# KiCad board POWER_BOARD.kicad_pcb
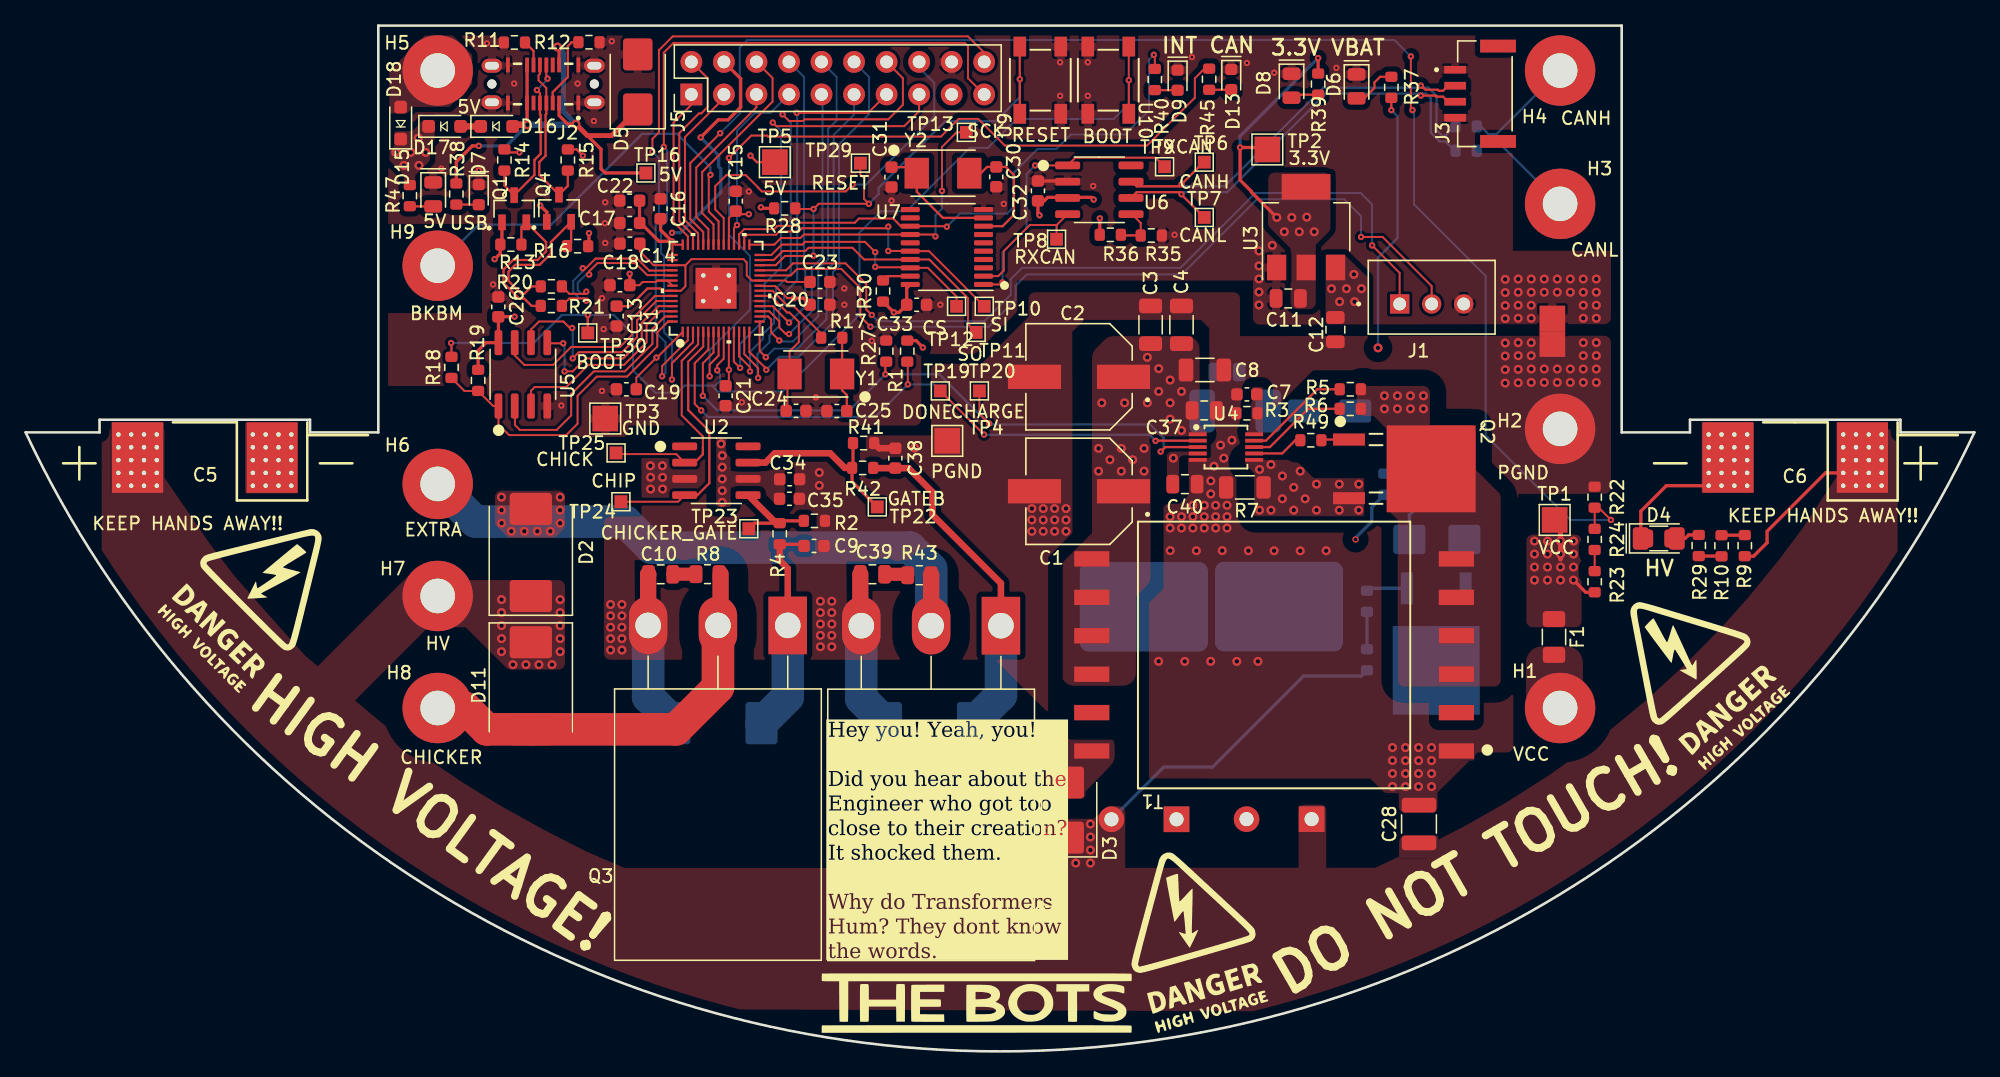
[diagram p0: board, top side]
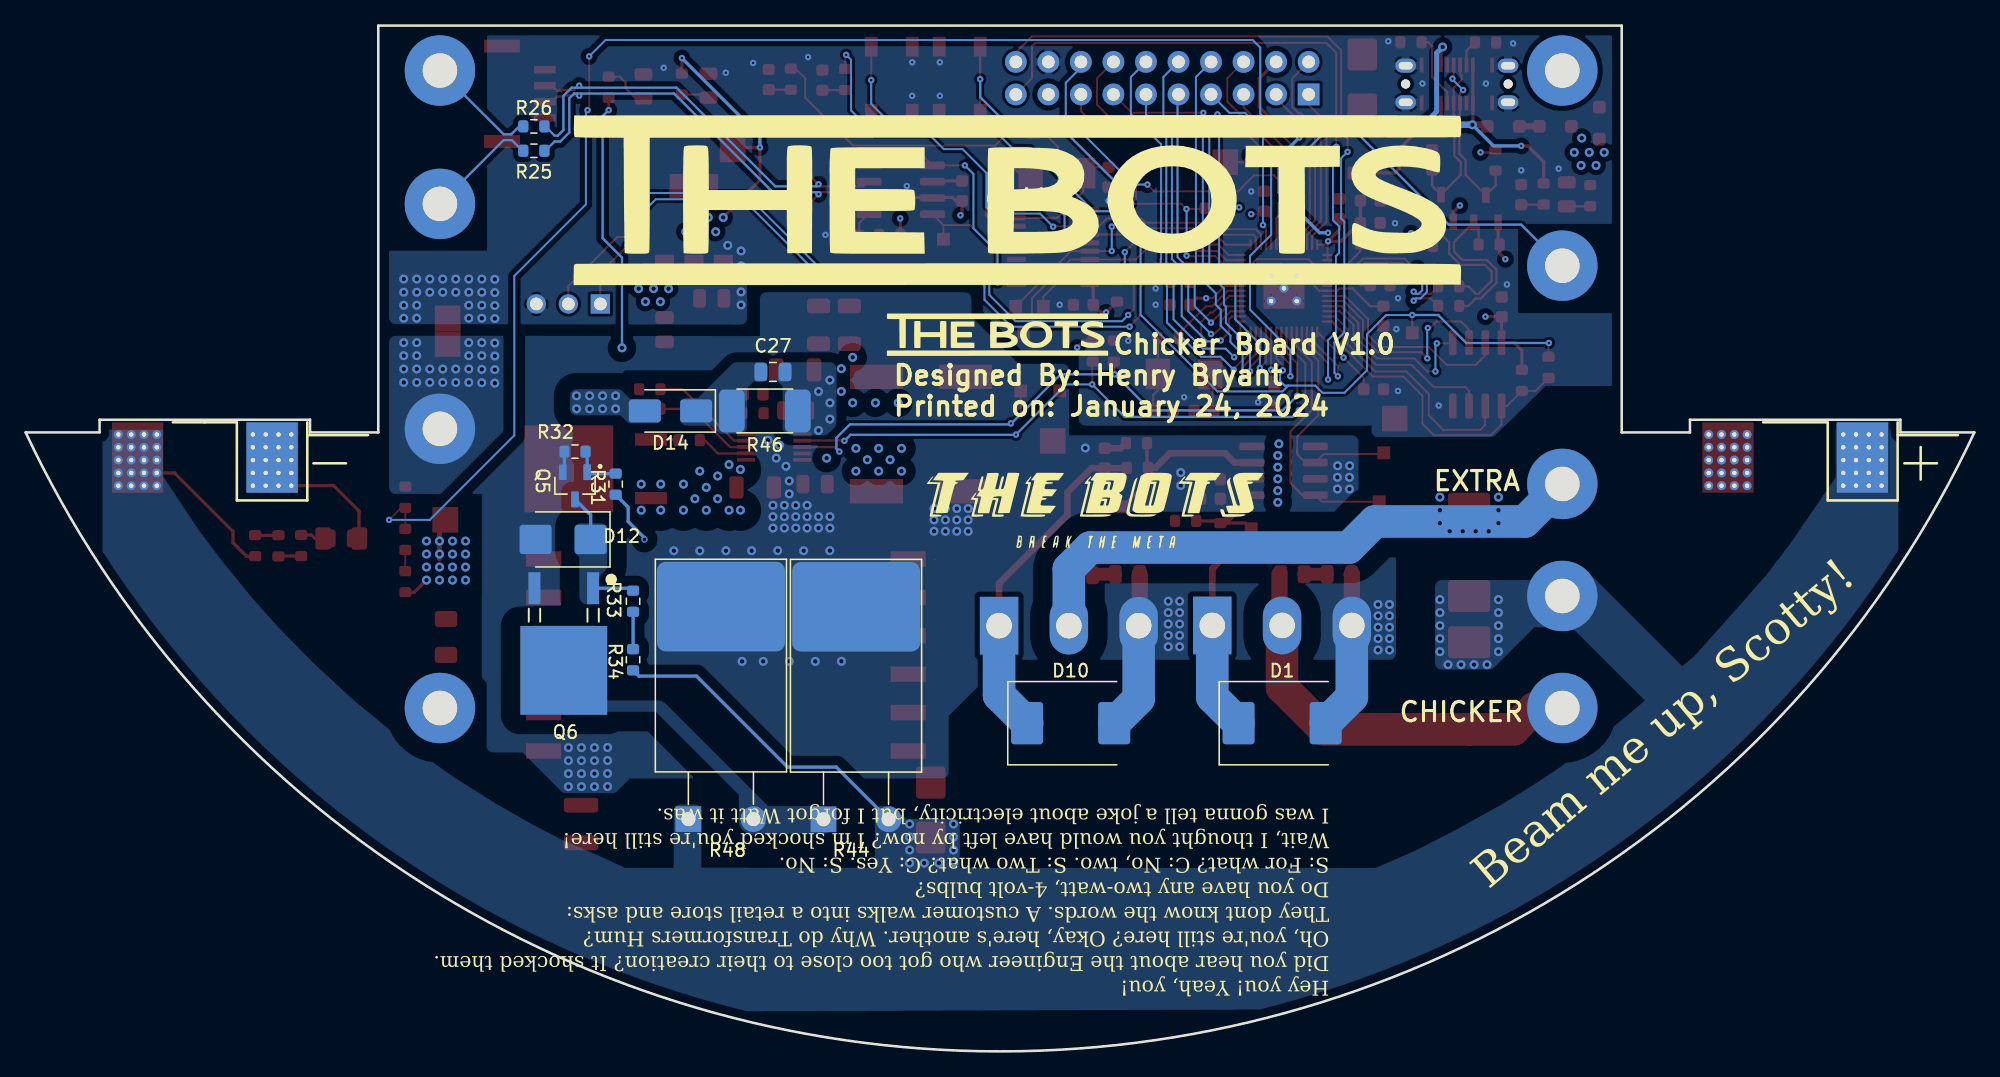
[diagram p1: board, bottom side, seen from below]

Outline 152.15 x 80.11 mm; copper layers: Top, In1.Cu (plane), In2.Cu (plane), Bottom. Coordinates in mm from the lower left corner of the outline.
Outline path: 5.77,49.33 5.77,48.34 0,48.34 arc(76.07,0) 152.15,48.34 146.38,48.34 146.38,49.33 129.94,49.33 129.94,48.34 124.61,48.34 124.61,80.11 27.54,80.11 27.54,48.34 22.21,48.34 22.21,49.33 5.77,49.33
Stack: Top 0.035mm / dielectric 0.1mm FR4 er 4.5 / In1.Cu 0.035mm / dielectric 1.2402mm FR4 er 4.5 / In2.Cu 0.035mm / dielectric 0.1mm FR4 er 4.5 / Bottom 0.035mm

## Placement (name value [footprint] x y rotation side)
C1  25SVPF100M  [CAP_25SVPF100M]  82.24 43.74 180 top
C2  25SVPF100M  [CAP_25SVPF100M]  82.24 52.68 180 top
C3  22u_1206  [C_1206_3216Metric]  87.83 56.75 90 top
C4  22u_1206  [C_1206_3216Metric]  90.24 56.75 90 top
C5  1000u  [CP_Radial_Horizontal_D25.4mm_H45mm]  13.99 49.33 0 top
C6  1000u  [CP_Radial_Horizontal_D25.4mm_H45mm_reversed]  138.16 49.33 0 top
C7  100p  [C_0603_1608Metric]  95.35 51.31 180 top
C8  22u_1206  [C_1206_3216Metric]  92.07 53.22 0 top
C9  0.1u  [C_0603_1608Metric]  61.55 39.47 0 top
C10  1500p  [C_0805_2012Metric]  49.58 37.26 180 top
C11  10u  [C_0805_2012Metric]  98.58 58.8 180 top
C12  10u  [C_0805_2012Metric]  102.26 56.36 270 top
C13  0.1u  [C_0603_1608Metric]  46.14 57.42 270 top
C14  0.1u  [C_0603_1608Metric]  47.18 63.08 180 top
C15  0.1u  [C_0603_1608Metric]  55.45 66.4 90 top
C16  0.1u  [C_0603_1608Metric]  49.57 65.81 90 top
C17  0.1u  [C_0603_1608Metric]  47.17 64.69 180 top
C18  0.1u  [C_0603_1608Metric]  46.4 59.84 180 top
C19  0.1u  [C_0603_1608Metric]  46.9 51.71 180 top
C20  0.1u  [C_0603_1608Metric]  62.02 58.31 0 top
C21  0.1u  [C_0603_1608Metric]  54.65 51.2 270 top
C22  1u  [C_0603_1608Metric]  47.16 66.44 180 top
C23  1u  [C_0603_1608Metric]  62.02 60.09 0 top
C24  27p  [C_0603_1608Metric]  60.15 50.02 180 top
C25  27p  [C_0603_1608Metric]  63.34 50.01 0 top
C26  0.1u  [C_0603_1608Metric]  36.9 58.14 90 top
C27  0.22u_0805  [C_0805_2012Metric]  93.8 53.06 0 bottom
C28  0.1u_600V  [C_1210_3225Metric]  108.79 17.76 90 top
C30  22p  [C_0603_1608Metric]  75.78 68.3 270 top
C31  22p  [C_0603_1608Metric]  67.6 68.28 270 top
C32  0.1u  [C_0603_1608Metric]  79.04 67.2 90 top
C33  0.1u  [C_0603_1608Metric]  69.56 58.31 0 top
C34  0.1u  [C_0603_1608Metric]  59.65 44.68 0 top
C35  1u  [C_0603_1608Metric]  59.64 43.16 0 top
C37  10u  [C_0805_2012Metric]  92.02 50.06 0 top
C38  0.1u  [C_0603_1608Metric]  67.9 46.33 90 top
C39  1500p  [C_0805_2012Metric]  66.12 37.26 180 top
C40  10u  [C_0805_2012Metric]  90.51 44.3 0 top
D1  SMCJ15A  [D_SMC]  54.05 25.63 180 bottom
D2  MUR860J  [D_SMC]  39.44 38.97 90 top
D3  2A 600V  [D_SMB]  81.48 18.85 90 top
D4  LED_red  [LED_1206MERGE0805]  127.51 40.06 0 top
D5  B220  [D_SMB]  47.79 75.71 90 top
D6  LED  [LED_0805_2012Metric]  103.91 75.36 270 top
D7  LED_blue  [LED_0603_1608Metric]  35.38 66.91 270 top
D8  LED  [LED_0805_2012Metric]  98.84 75.41 270 top
D9  LED  [LED_0603_1608Metric]  89.94 75.85 270 top
D10  SMCJ15A  [D_SMC]  70.56 25.63 180 bottom
D11  MUR860J  [D_SMC]  39.44 28.55 270 top
D12  3SMBJ5929B-TP  [D_SMB]  110.18 39.98 0 bottom
D13  LED  [LED_0603_1608Metric]  94.13 75.9 270 top
D14  USM1  [D_SMA]  101.8 50.01 0 bottom
D15  LED  [LED_0805_2012Metric]  31.82 66.93 270 top
D16  220mV Schottky  [D_SOD-323_HandSoldering]  36.78 72.24 0 top
D17  220mV Schottky  [D_SOD-323_HandSoldering]  32.71 72.24 0 top
D18  220mV Schottky  [D_SOD-323_HandSoldering]  29.28 72.49 90 top
F1  0501015.WR1  [Fuse_1206_3216Metric]  119.33 32.36 270 top
G***  -  [LOGO]  18.2 35.87 315 top
G***#2  -  [LOGO]  90.87 9.11 16 top
G***#3  -  [LOGO]  74.24 3.79 0 top
G***#4  -  [LOGO]  129.99 29.95 42 top
G***#5  -  [LOGO]  68.56 47.66 180 bottom
G***#6  -  [LOGO]  74.75 66.52 180 bottom
G***#7  -  [LOGO]  76.27 55.98 180 bottom
H1  VCC  [MountingHole_2.7mm_M2.5_DIN965_Pad]  119.8 26.82 0 top
H2  PGND  [MountingHole_2.7mm_M2.5_DIN965_Pad]  119.8 48.62 0 top
H3  CANL  [MountingHole_2.7mm_M2.5_DIN965_Pad]  119.8 66.19 0 top
H4  CANH  [MountingHole_2.7mm_M2.5_DIN965_Pad]  119.8 76.6 0 top
H5  5V  [MountingHole_2.7mm_M2.5_DIN965_Pad]  32.17 76.6 0 top
H6  EXTRA  [MountingHole_2.7mm_M2.5_DIN965_Pad]  32.17 44.32 0 top
H7  HV  [MountingHole_2.7mm_M2.5_DIN965_Pad]  32.17 35.57 0 top
H8  CHICKER  [MountingHole_2.7mm_M2.5_DIN965_Pad]  32.17 26.82 0 top
H9  BKBM  [MountingHole_2.7mm_M2.5_DIN965_Pad]  32.17 61.36 0 top
J1  -  [JST_B3B-XH-A]  109.78 58.9 0 top
J2  USB4145-03-0170-C_REVA2  [GCT_USB4145-03-0170-C_REVA2]  40.4 75.55 180 top
J3  -  [JST_BM04B-GHS-TBT]  114.96 74.79 90 top
J5  Conn_02x10_Counter_Clockwise  [PinHeader_2x10_P2.54mm_Vertical]  51.98 74.73 90 top
NT1  NetTie_2  [NetTie-2_SMD_Pad2.0mm]  119.2 56.24 90 top
Q1  BSS138  [SOT95P240X111-3N]  38.14 65.81 90 top
Q2  IRFR3410TRPBF  [DPAK-3_ONS]  109.74 45.49 270 top
Q3  FGH50T65SQD-F155  [TO-247-3_Horizontal_TabDown]  59.5 33.27 180 top
Q4  BSS138  [SOT95P240X111-3N]  41.64 65.85 90 top
Q5  TN2130K1-G  [SOT95P240X111-3N]  109.26 44.17 270 bottom
Q6  IPD60R3K4CEAUMA1  [DPAK-3_ONS]  110.13 29.76 0 bottom
Q7  FGH50T65SQD-F155  [TO-247-3_Horizontal_TabDown]  76.15 33.25 180 top
R1  100k  [R_0603_1608Metric]  68.83 54.69 90 top
R2  10k  [R_0603_1608Metric]  61.58 41.43 0 top
R3  2.49k  [R_0603_1608Metric]  95.35 49.84 0 top
R4  120R  [R_0603_1608Metric]  58.87 40.43 270 top
R5  48.1k  [R_0603_1608Metric]  103.42 51.71 0 top
R6  34.3k  [R_0603_1608Metric]  103.42 50.18 0 top
R7  8m  [R_1206_3216Metric]  95.19 44.05 0 top
R8  2  [R_0805_2012Metric]  53.24 37.27 180 top
R9  100k  [R_0603_1608Metric]  134.22 39.5 270 top
R10  100k  [R_0603_1608Metric]  132.41 39.49 90 top
R11  5.1k  [R_0603_1608Metric]  38.16 78.79 180 top
R12  5.1k  [R_0603_1608Metric]  43.98 78.81 0 top
R13  10k  [R_0603_1608Metric]  37.89 63.01 0 top
R14  10k  [R_0603_1608Metric]  37.38 69.62 270 top
R15  10k  [R_0603_1608Metric]  42.33 69.62 270 top
R16  10k  [R_0603_1608Metric]  43.09 62.88 180 top
R17  1k  [R_0603_1608Metric]  62.94 55.73 180 top
R18  1k  [R_0603_1608Metric]  33.25 53.42 270 top
R19  10k  [R_0603_1608Metric]  35.33 52.4 90 top
R20  33R  [R_0603_1608Metric]  41.04 59.74 180 top
R21  33R  [R_0603_1608Metric]  41.04 58.22 180 top
R22  R_200k  [R_0603_1608Metric]  122.5 43.28 90 top
R23  R_470k  [R_0603_1608Metric]  122.5 36.68 90 top
R24  R_470k  [R_0603_1608Metric]  122.5 39.98 90 top
R25  R_0OHM_JUMPER  [R_0603_1608Metric]  112.47 70.33 180 bottom
R26  R_0OHM_JUMPER  [R_0603_1608Metric]  112.47 72.24 180 bottom
R27  100k  [R_0603_1608Metric]  67.19 54.69 90 top
R28  10k  [R_0603_1608Metric]  59.27 65.84 0 top
R29  100k  [R_0603_1608Metric]  130.63 39.51 270 top
R30  10k  [R_0603_1608Metric]  66.94 59.38 90 top
R31  270k  [R_0603_1608Metric]  106.08 44.3 90 bottom
R32  100k  [R_0603_1608Metric]  109.26 46.84 0 bottom
R33  5.1M  [R_0603_1608Metric]  104.72 35.16 90 bottom
R34  5.1M  [R_0603_1608Metric]  104.72 30.58 90 bottom
R35  5.1k  [R_0603_1608Metric]  87.89 63.72 0 top
R36  5.1k  [R_0603_1608Metric]  84.69 63.77 0 top
R37  1.2k  [R_0603_1608Metric]  106.63 75.29 90 top
R38  330  [R_0603_1608Metric]  33.63 66.96 90 top
R39  150R  [R_0603_1608Metric]  100.91 75.54 270 top
R40  150R  [R_0603_1608Metric]  88.16 75.9 270 top
R41  10k  [R_0603_1608Metric]  65.42 47.51 0 top
R42  120R  [R_0603_1608Metric]  65.35 45.57 0 top
R43  2  [R_0805_2012Metric]  69.77 37.19 180 top
R44  2k 35W  [TO-220-2_Horizontal_TabDown]  89.85 18.12 180 bottom
R45  150R  [R_0603_1608Metric]  92.4 75.92 270 top
R46  820R_3W  [R_2512_6332Metric]  94.43 50.01 0 bottom
R47  330  [R_0603_1608Metric]  29.99 66.83 90 top
R48  2k 35W  [TO-220-2_Horizontal_TabDown]  100.4 18.14 180 bottom
R49  R_0OHM_JUMPER  [R_0603_1608Metric]  100.34 47.73 0 top
T1  DA2034  [DA2034-ALD_COC]  97.47 30.96 180 top
TP1  VCC  [TestPoint_Pad_2.0x2.0mm]  119.38 41.51 0 top
TP2  3.3V  [TestPoint_Pad_2.0x2.0mm]  96.95 70.44 0 top
TP3  GND  [TestPoint_Pad_2.0x2.0mm]  45.25 49.42 0 top
TP4  PGND  [TestPoint_Pad_2.0x2.0mm]  71.96 47.68 0 top
TP5  5V  [TestPoint_Pad_2.0x2.0mm]  58.49 69.45 0 top
TP6  CANH  [TestPoint_Pad_1.0x1.0mm]  92.02 69.45 0 top
TP7  CANL  [TestPoint_Pad_1.0x1.0mm]  92.02 65.13 0 top
TP8  RXCAN  [TestPoint_Pad_1.0x1.0mm]  80.49 63.43 0 top
TP9  TXCAN  [TestPoint_Pad_1.0x1.0mm]  88.92 69.09 0 top
TP10  SI  [TestPoint_Pad_1.0x1.0mm]  74.84 58.19 0 top
TP11  SO  [TestPoint_Pad_1.0x1.0mm]  74.21 56.15 0 top
TP12  CS  [TestPoint_Pad_1.0x1.0mm]  72.69 58.19 0 top
TP13  SCK  [TestPoint_Pad_1.0x1.0mm]  73.45 71.77 0 top
TP16  5V  [TestPoint_Pad_1.0x1.0mm]  48.43 68.6 0 top
TP19  DONE  [TestPoint_Pad_1.0x1.0mm]  71.42 51.58 0 top
TP20  CHARGE  [TestPoint_Pad_1.0x1.0mm]  74.46 51.58 0 top
TP22  GATEB  [TestPoint_Pad_1.0x1.0mm]  66.49 42.52 0 top
TP23  CHICKER_GATE  [TestPoint_Pad_1.0x1.0mm]  56.46 40.82 0 top
TP24  CHIP  [TestPoint_Pad_1.0x1.0mm]  46.48 42.93 0 top
TP25  CHICK  [TestPoint_Pad_1.0x1.0mm]  46.1 46.74 0 top
TP29  RESET  [TestPoint_Pad_1.0x1.0mm]  65.17 69.37 0 top
TP30  BOOT  [TestPoint_Pad_1.0x1.0mm]  43.89 56.11 0 top
U1  RPI2040  [QFN56_7X7_RPI]  53.91 59.6 90 top
U2  MCP14A0454-E/SN  [SOIC-8_3.9x4.9mm_P1.27mm]  53.93 45.35 0 top
U3  AP2114HA-3.3TRG1  [SOT-223-3_TabPin2]  99.97 64.37 90 top
U4  LT3750  [MSOP-10_3x3mm_P0.5mm]  93.71 47.19 0 top
U5  W25Q16JVSNIQ  [SOIC-8_3.9x4.9mm_P1.27mm]  38.82 52.87 90 top
U6  SN65HVD233  [SOIC-8_3.9x4.9mm_P1.27mm]  83.83 67.29 0 top
U7  MCP2515-xST  [TSSOP-20_4.4x6.5mm_P0.65mm]  71.93 62.82 180 top
U9  PTS647SM38SMTR2LFS  [SW_PTS647SM38SMTR2LFS_CNK]  79.22 75.85 90 top
U10  PTS647SM38SMTR2LFS  [SW_PTS647SM38SMTR2LFS_CNK]  84.53 75.85 270 top
Y1  ABM3-12.000MHZ-D2Y-T  [ABM3]  61.7 52.9 180 top
Y2  ABM3-8.000MHZ-D2Y-T  [ABM3]  71.63 68.58 0 top

## Library data of the parts
C1 C2 = -: JLC Extended: yes; LCSC: C136279
C3 C4 C8 = -: Description: Unpolarized capacitor; JLC: 0805; JLC Extended: no; LCSC: C12891; MPN: CL31A226KAHNNNE; Manufacturer: Murata; Price: 0.0645
C5 C6 = -: Description: Polarized capacitor, US symbol; MPN: ESMQ251VSN102MQ45S; Manufacturer: Chemi-Con; Price: 9.07
C7 = -: Description: Unpolarized capacitor; JLC: 0603; JLC Extended: no; LCSC: C14858; MPN: CL10C101JB8NNNC; Manufacturer: Samsung Electro-Mechanics; Price: 0.0026
C9 C13-C21 C26 C32-C34 C38 = -: Description: Unpolarized capacitor; JLC: 0603; JLC Extended: no; LCSC: C14663; MPN: CC0603KRX7R9BB104; Manufacturer: YAGEO; Price: 0.0021
C10 C39 = -: Description: Unpolarized capacitor; JLC: 0805; LCSC: C342996; MPN: C2012C0G2A152JT000N; Manufacturer: TDK; Price: 0.0396
C11 C12 C37 C40 = -: Description: Unpolarized capacitor; JLC: 0805; JLC Extended: no; LCSC: C440198; MPN: GRM21BR61H106KE43L; Manufacturer: Murata; Price: 0.0645
C22 C23 C35 = -: Description: Unpolarized capacitor; JLC: 0603; JLC Extended: no; LCSC: C15849; MPN: CL10A105KB8NNNC; Manufacturer: Samsung Electro-Mechanics; Price: 0.0046
C24 C25 = -: Description: Unpolarized capacitor; JLC: 0603; JLC Extended: no; LCSC: C107045; MPN: CC0603JRNPO9BN270; Manufacturer: YAGEO; Price: 0.0027
C27 = -: Description: Unpolarized capacitor; JLC: 0805; JLC Extended: no; LCSC: C5378; MPN: CL21B224KBFNNNE; Manufacturer: YAGEO; Price: 0.0103
C28 = -: Description: Unpolarized capacitor; JLC: 1210; JLC Extended: yes; LCSC: C2902776; MPN: C3225X7T2J104KT000N; Manufacturer: TDK; Price: 0.3623
C30 C31 = -: Description: Unpolarized capacitor; JLC: 0603; JLC Extended: no; LCSC: C1653; MPN: CL10C220JB8NNNC; Manufacturer: Samsung Electro-Mechanics; Price: 0.0052
D1 D10 = -: Description: Zener diode; JLC: SMC(DO-214AB); JLC Extended: yes; LCSC: C438099; Manufacturer: Littelfuse; Price: 0.59
D2 D11 = -: Description: Schottky diode; Manufacturer: WeEn Semiconductors; Price: 0.76
D3 = -: Description: 1.25V@1A 75ns 2A 600V SMB(DO-214AA) Diodes - Fast Recovery Rectifiers ROHS; JLC: SMB(DO-214AA); LCSC: C59627; MPN: MURS160-E3/52T; Manufacturer: Vishay Intertech; Price: 0.1038
D4 = -: Description: Light emitting diode; JLC: 0805; JLC Extended: no; LCSC: C84256; MPN: NCD0805R1; Manufacturer: Foshan NationStar Optoelectronics; Price: 0.0122
D5 = -: Description: 20V 2A Schottky Barrier Rectifier Diode, SMB; JLC: SMB(DO-214AA); LCSC: C110480; MPN: B220-13-F; Manufacturer: Diodes Incorporated; Price: 0.0833
D6 D8 D15 = -: Description: Light emitting diode; JLC: 0805; JLC Extended: no; LCSC: C2297; MPN: KT-0805G; Manufacturer: Hubei KENTO Elec; Price: 0.0127
D7 = -: Description: Light emitting diode; JLC: 0603; JLC Extended: no; LCSC: C2290; MPN: KT-0603W; Manufacturer: Everlight Elec; Price: 0.0096
D9 D13 = -: Description: Light emitting diode; JLC: 0603; JLC Extended: no; LCSC: C72038; MPN: 19-213/Y2C-CQ2R2L/3T(CY); Manufacturer: Everlight Elec; Price: 0.0195
D12 = -: Description: Zener diode; LCSC: N/A; MPN: 3SMBJ5929B-TP; Manufacturer: Micro Commercial Co; Price: 0.63
D14 = -: Description: 1.7V@1A 75ns Single 1A 1kV SMA Diodes - Fast Recovery Rectifiers ROHS; JLC: SMA; JLC Extended: no; LCSC: C412437; Manufacturer: Vishay Intertech; Price: 0.1038
D16-D18 = -: Description: Diode 30 V 800mA Surface Mount USC; JLC: SC-76(SOD-232); JLC Extended: yes; LCSC: C150183; MPN: CUS08F30,H3F; Manufacturer: Vishay Intertech; Price: 0.0612
F1 = -: Description: Fuse; JLC: 1206; JLC Extended: yes; LCSC: C410346; Manufacturer: Littelfuse; Price: 0.0992
H1-H9 = -: Description: Mounting Hole no connection M2.5
J1 = -: MPN: B3B-XH-A(LF)(SN); Manufacturer: JST Sales America Inc.; Price: 0.31
J2 = -: Description: USB-C (USB TYPE-C) USB 2.0 Receptacle Connector 24 (16+8 Dummy) Position Surface Mount, Through Hole; MPN: USB4145-03-0170-C; Manufacturer: GCT; Price: 1.61
J3 = -: MPN: BM04B-GHS-TBT; Manufacturer: JST Sales America Inc.; Price: 0.31
J5 = -: Description: Generic connector, double row, 02x10, counter clockwise pin numbering scheme (similar to DIP package numbering), script generated (kicad-library-utils/schlib/autogen/connector/)
NT1 = -: Description: Net tie, 2 pins
Q1 Q4 = -: Description: N-Channel 50 V 200mA (Ta) 225mW (Ta) Surface Mount SOT-23-3 (TO-236); JLC: SOT-23; LCSC: C52895; Manufacturer: onsemi; Package: SOT-23; Price: 0.51
Q2 = -: Description: N-Channel 150 V 50A (Tc) 160W (Tj) Surface Mount TO-252AA; JLC: TO-252; JLC Extended: yes; LCSC: C3016; Manufacturer: onsemi; Price: 0.465
Q3 Q7 = -: Description: IGBT Trench Field Stop 650 V 100 A 268 W Through Hole TO-247-3; JLC: TO-247; LCSC: C132704; MPN: FGH50T65SQD-F155; Manufacturer: onsemi; Price: 3.4798
Q5 = -: Description: N-Channel 50 V 200mA (Ta) 225mW (Ta) Surface Mount SOT-23-3 (TO-236); JLC: SOT-23-3; JLC Extended: yes; LCSC: C626652; MF: Diodes Inc.; MPN: TN2130K1-G; Manufacturer: Microchip; Package: SOT-23-3; Price: 0.65
Q6 = -: Description: MOSFET N-CH 600V 2.6A TO252-3; JLC: TO-252; JLC Extended: N/A; LCSC: N/A; Manufacturer: Infineon; Price: 0.653
R1 R9 R10 R27 R29 R32 = -: Description: Resistor; JLC: 0603; JLC Extended: no; LCSC: C25803; MPN: 0603WAF1003T5E; Manufacturer: UNI-ROYAL(Uniroyal Elec); Price: 0.0009
R2 R13-R16 R19 R28 R30 R41 = -: Description: Resistor; JLC: 0603; JLC Extended: no; LCSC: C25804; MPN: 0603WAF1002T5E; Manufacturer: UNI-ROYAL(Uniroyal Elec); Price: 0.0008
R3 = -: Description: Resistor; JLC: 0603; LCSC: C108190; MPN: RC0603FR-072K49L; Manufacturer: YAGEO; Price: 0.001
R4 R42 = -: Description: Resistor; JLC: 0603; JLC Extended: no; LCSC: C22787; MPN: 0603WAF1200T5E; Manufacturer: UNI-ROYAL(Uniroyal Elec); Price: 0.001
R5 = -: Description: Resistor; JLC: 0603; LCSC: C23061; MPN: 0603WAF4752T5E; Manufacturer: UNI-ROYAL(Uniroyal Elec); Price: 0.0009
R6 = -: Description: Resistor; JLC: 0603; LCSC: C23008; MPN: 0603WAF3402T5E; Manufacturer: UNI-ROYAL(Uniroyal Elec); Price: 0.001
R7 = -: Description: Resistor; JLC: 1206; LCSC: C326567; MPN: PE1206FRF470R008L; Manufacturer: YAGEO; Price: 0.0695
R8 R43 = -: Description: Resistor; JLC: 0805; LCSC: C17606; MPN: 0805W8F200KT5E; Manufacturer: UNI-ROYAL(Uniroyal Elec); Price: 0.0025
R11 R12 R35 R36 = -: Description: Resistor; JLC: 0603; JLC Extended: no; LCSC: C23186; MPN: 0603WAF5101T5E; Manufacturer: UNI-ROYAL(Uniroyal Elec); Price: 0.0009
R17 R18 = -: Description: Resistor; JLC: 0603; LCSC: C21190; MPN: 0603WAF1001T5E; Manufacturer: UNI-ROYAL(Uniroyal Elec); Price: 0.0007
R20 R21 = -: Description: Resistor; JLC: 0603; JLC Extended: no; LCSC: C23140; MPN: 0603WAF330JT5E; Manufacturer: UNI-ROYAL(Uniroyal Elec); Price: 0.0009
R22 = -: Description: Resistor; JLC: 0603; JLC Extended: no; LCSC: C22965; MPN: 0603WAF2003T5E; Manufacturer: UNI-ROYAL(Uniroyal Elec); Price: 0.0009
R23 R24 = -: Description: Resistor; JLC: 0603; JLC Extended: no; LCSC: C23178; MPN: 0603WAF4703T5E; Manufacturer: UNI-ROYAL(Uniroyal Elec); Price: 0.0009
R25 R26 R49 = -: Description: Resistor; JLC: 0603; JLC Extended: no; LCSC: C21189; MPN: 0603WAF0000T5E; Manufacturer: UNI-ROYAL(Uniroyal Elec); Price: 0.001
R31 = -: Description: Resistor; JLC: 0603; JLC Extended: no; LCSC: C22965; MPN: 0603WAF2703T5E; Manufacturer: UNI-ROYAL(Uniroyal Elec); Price: 0.0009
R33 R34 = -: Description: Resistor; JLC: 0603; JLC Extended: no; LCSC: C13320; MPN: 0603WAF5104T5E; Manufacturer: UNI-ROYAL(Uniroyal Elec); Price: 0.0013
R37 = -: Description: Resistor; JLC: 0603; JLC Extended: no; LCSC: C22765; MPN: 0603WAF1201T5E; Manufacturer: UNI-ROYAL(Uniroyal Elec); Price: 0.001
R38 R47 = -: Description: Resistor; JLC: 0603; JLC Extended: no; LCSC: C23138; MPN: 0603WAF3300T5E; Manufacturer: UNI-ROYAL(Uniroyal Elec); Price: 0.0009
R39 R40 R45 = -: Description: Resistor; JLC: 0603; JLC Extended: no; LCSC: C22808; MPN: 0603WAF1500T5E; Manufacturer: UNI-ROYAL(Uniroyal Elec); Price: 0.0009
R44 R48 = -: Description: Resistor; MPN: PWR220T-35-2001J; Manufacturer: Bourns; Price: 4.067
R46 = -: Description: Resistor; JLC: 2512; MPN: 3522820RJT; Manufacturer: TE; Price: 0.83
T1 = -: Description: Transformer, single primary, single secondary; MPN: DA2034-ALD; Manufacturer: Coilcraft; Price: 13.35
TP1-TP13 TP16 TP19 TP20 TP22-TP25 TP29 TP30 = -: Description: test point
U1 = -: JLC: LQFN-56(7x7); JLC Extended: yes; LCSC: C2040; MPN: RP2040; Manufacturer: Raspberry Pi; Price: 0.9997
U2 = -: Manufacturer: Microchip; Price: 2.42
U3 = -: JLC: SOT-223-3; JLC Extended: yes; LCSC: C460314; Manufacturer: onsemi; Price: 0.5575
U4 = -: Description: Boost, flyback, SEPIC and inverting regulator, improved load transient performance, DFN-10; JLC: MSOP-10; LCSC: C84289; MPN: LT3750EMS#PBF; Manufacturer: Analog Devices; Price: 15.73
U5 = -: Description: FLASH - NOR Memory IC 16Mbit SPI - Quad I/O 133 MHz 8-SOIC; JLC: SOIC-8; JLC Extended: yes; LCSC: C115407; MPN: W25Q128JVSIQ; Manufacturer: Winbond Elec; Price: 0.5635
U6 = -: Description: High-Speed CAN Transceiver, 1Mbps, 3.3V supply, SOIC-8; JLC: 8-SOIC; Manufacturer: Microchip; Price: 0
U7 = -: Description: Stand-Alone CAN Controller with SPI Interface, TSSOP-20; JLC: TSSOP-20; LCSC: C185941; MPN: MCP2515T-I/ST; Manufacturer: Microchip; Price: 1.2541
U9 U10 = -: JLC: SMD,4.5x4.5mm; JLC Extended: yes; LCSC: C2689502; Manufacturer: C&K; Price: 0.1118
Y1 = -: JLC: SMD5032-2P; JLC Extended: yes; LCSC: C148313; Manufacturer: Abracon; Price: 0.7616
Y2 = -: JLC: SMD5032-2P; JLC Extended: yes; LCSC: C144380; MANUFACTURER: Cardinal Components; Manufacturer: Cardinal Components; Price: 0.2279
